# KiCad board hellen88bmw.kicad_pcb (continued)
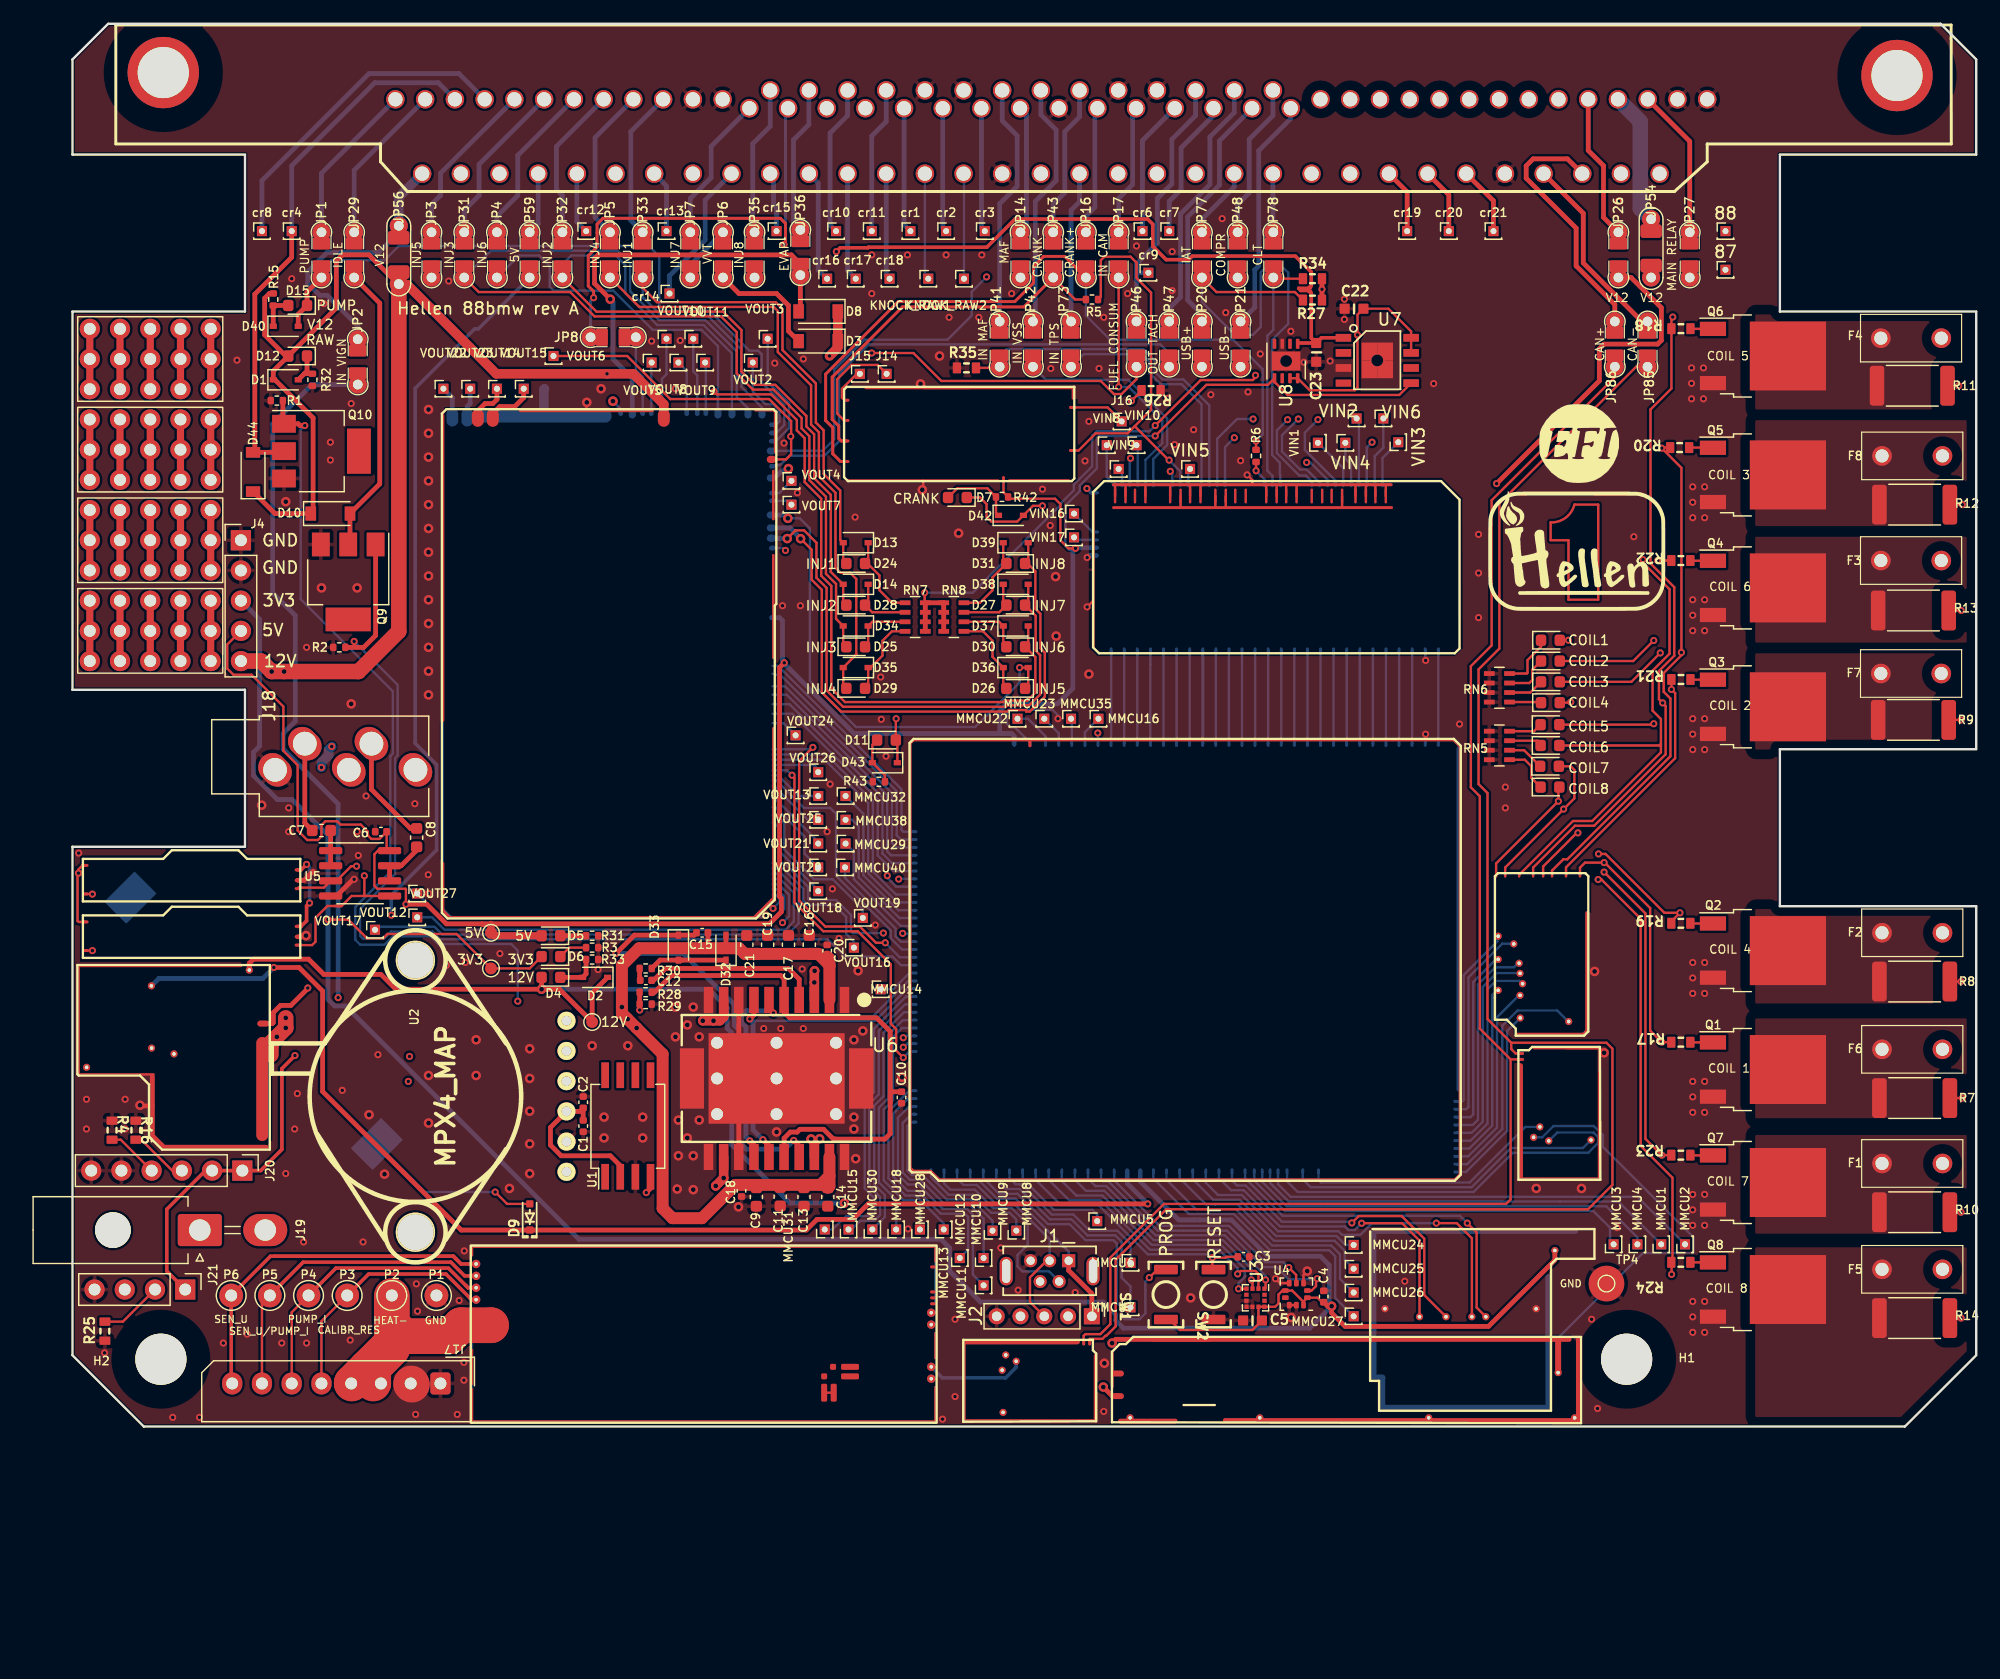
[diagram p0: board, top side]
## Routing (per net, layer and track width the routed paths; a pad name or vN(x,y) marks a point on that pad's centre or on a via; arc(x,y) is an arc through that point) (continued)
  Bottom w0.2: M9.W40 59.1,44.72 59.43,44.39 59.43,44.12 v1(58.88,43.57) ; v1(69.83,32.7) 69.99,32.86 M11.E8
/MAP2: length 7.9
  Bottom w0.2: M7.N13 101.6,57.4
/NRESET: length 21.5
  Top w0.2: SW2.1 95.8,13.3 v1(95.8,14.2) 96.9,14.2 96.97,14.27 C3.1
  Bottom w0.2: v1(95.8,14.2) 95.52,14.48 90.38,14.48 86.23,18.62 83.07,18.62 80.95,20.75 M11.N24
/OUT_AC_COMPR: length 50.9
  In2.Cu w0.2: v1(76.83,96.67) 78.08,97.92 96.62,97.92 JP48.2
  Bottom w0.2: M9.W4 63.05,82.05 64.03,83.02 64.03,88.87 66.55,91.4 73.55,91.4 75.58,93.42 75.58,95.42 v1(76.83,96.67)
/OUT_CHECK_ENGINE: length 6.6
  Bottom w0.2: M9.S8 47.92,88.28 47.35,88.84 JP8.2
/OUT_ETB+: length 73.6
  Top w0.8: U6.3 v2(62.35,37.35) 62.35,38.3 v2(62.38,38.32) ; U6.18 62.35,23.9 v2(62.08,24.17)
  In2.Cu w0.8: v2(62.38,38.32) 62.38,24.62 v2(62.8,24.2) 62.11,24.2 v2(62.08,24.17)
  In2.Cu w1: 62.08,22.72 62.08,19.82 59.64,17.37 31.38,17.37 30.03,18.72 26.53,18.72 24.33,16.52 J19.2 ; 62.08,22.72 62.08,23.48 v2(62.8,24.2) ; 62.08,22.72 v2(62.08,24.17)
/OUT_ETB-: length 69.3
  Top w0.8: U6.9 54.73,34.44 54.41,34.12 v2(53.88,34.12) v2(52.98,34.12) ; v2(54.06,20.23) v2(54.73,20.9) U6.12
  In2.Cu w0.8: v2(54.06,20.23) 55.6,21.77 55.6,32.62 54.09,34.12 v2(52.98,34.12)
  In2.Cu w1: J19.1 11.13,16.52 13.18,18.57 24.68,18.57 26.03,19.92 30.52,19.92 31.87,18.57 52.4,18.57 v2(54.73,20.9)
/OUT_EVAP: length 35
  Top w0.4: 61.18,97.77 60.43,98.52 44.18,98.52 43.88,98.22 43.88,96.12 v2(45.2,94.8) ; JP36.2 61.18,93.87
  Bottom w0.4: M9.S7 47.05,88.15 45.43,89.77 45.43,94.57 v2(45.2,94.8)
/OUT_FUEL_CONSUM: length 49.9
  Top w0.2: v1(67.18,90.27) 70.68,90.27 73.03,87.92 86.43,87.92 87.53,86.82 88.17,86.82 89.43,88.07 JP46.2
  In2.Cu w0.2: v4(45.43,86.22) 62.43,86.22 66.48,90.27 v1(67.18,90.27)
  Bottom w0.2: v4(45.43,86.22) 46.07,85.58 M9.S6
/OUT_FUEL_PUMP_RELAY: length 57.6
  Top w0.4: D40.2 18.98,93.54 D15.1 19.71,95.41 JP1.2
  Bottom w0.2: M9.W2 59.15,83.55 59.83,84.22 59.83,85.89 57.93,87.79 57.93,90.17 57.63,90.47 56.89,90.47 53.54,93.82 49.64,93.82 49.31,94.16 49.31,98.39 48.43,99.27 27.43,99.27 26.23,98.08 21.73,98.08 20.93,97.27 JP1.2
/OUT_ICV: length 45.1
  Top w0.4: cr4.1 18.43,98.32 15.33,95.22 15.33,82.07 D44.2 17.68,81.92
  Bottom w0.4: cr4.1 18.43,106.02 25.4,113 30.75,113 PP1.2
/OUT_IDLE: length 24.2
  Top w0.4: 23.33,74.32 D10.2 25.83,79.27 25.83,94.47 JP29.2
/OUT_IGN1: length 70.4
  Top w0.2: R17.2 v1(133.57,32.32) 132.6,33.3 132.6,43.6 128.77,47.42 v1(128.73,47.42) 127.13,47.42 126.7,47 M10.S8 ; v1(125.73,66.12) D23.2 ; 157.9,27.62 v1(158.84,27.62)
  In1.Cu w0.2: v1(133.57,32.32) 136.48,32.32 140.38,28.42 158.04,28.42 v1(158.84,27.62) ; v1(125.73,66.12) 125.33,65.72 125.33,60.64 125.93,60.04 125.93,51.64 125.73,51.44 125.73,49.84 128.14,47.42 v1(128.73,47.42)
/OUT_IGN2: length 60.5
  Top w0.2: v1(132.9,66.1) 131.17,64.37 D19.2 ; 157.8,59.42 v1(158.74,59.42) ; M10.S7 125.53,47.03 134.7,56.2 134.7,61.67 v1(134.38,61.98) R21.2
  In1.Cu w0.2: v1(158.74,59.42) 158.24,58.92 139.43,58.92 136.36,61.98 134.41,61.98 132.85,63.55 132.85,66.05 v1(132.9,66.1)
/OUT_IGN3: length 82.2
  Top w0.2: 157.9,77.52 v1(158.84,77.52) ; M10.S6 124.35,46.75 125.3,47.7 125.63,47.7 134.3,56.37 134.3,61.22 133.74,61.79 133.74,63.3 ; R20.2 133.62,82.32 v1(133.57,82.27) 135.22,80.62 135.22,64.85 133.74,63.37 ; D22.2 131.01,62.62 v1(133.45,65.05)
  In1.Cu w0.2: v1(133.57,82.27) 135.43,82.27 140.58,77.12 158.43,77.12 158.83,77.52 v1(158.84,77.52) ; v1(133.45,65.05) 135.19,65.05 v1(135.22,65.09)
/OUT_IGN4: length 56.7
  Top w0.2: R19.2 134.38,42.47 v1(135.1,43.2) 133.8,43.2 128.84,48.15 v1(128.26,48.15) ; R8.2 v1(158.73,37.42) ; D18.2 125.88,60.87 v1(125.93,60.92) ; M10.S5 123.6,47.1 126.43,49.92 v1(126.53,49.92)
  In1.Cu w0.2: v1(128.26,48.15) 128.26,48.19 v1(126.53,49.92) 126.13,50.32 126.13,51.27 126.33,51.47 126.33,60.52 v1(125.93,60.92) ; v1(135.1,43.2) 140.88,37.42 v1(158.73,37.42)
/OUT_IGN5: length 92.6
  Top w0.2: v1(132.9,59.1) 132.82,59.02 D21.2 ; M10.S4 122.76,47.01 126.28,50.52 127.89,50.52 133.9,56.53 133.9,60.6 v1(133.65,60.85) 133.34,61.16 133.34,63.53 134.62,64.82 134.62,70.58 132.63,72.57 132.63,85.53 134.39,87.29 R18.2 134.39,93.19 v1(134.5,93.3) ; R11.1 v1(158.53,87.52)
  In1.Cu w0.2: v1(134.5,93.3) 140.68,87.12 158.13,87.12 v1(158.53,87.52) ; v1(133.65,60.85) 133.65,59.85 v1(132.9,59.1)
/OUT_IGN6: length 73.4
  Top w0.2: D17.2 133.38,57.27 133.5,57.4 ; 157.8,68.62 v1(158.74,68.62) ; 133.5,57.4 133.5,59.5 132.8,60.2 132.8,63.56 134.23,64.99 134.23,70.41 132,72.64 v1(132,72.9) ; 133.5,57.4 133.5,56.7 127.73,50.92 126.11,50.92 121.59,46.4 M10.S3 ; R22.2 v1(133.23,72.82)
  In1.Cu w0.2: v1(158.74,68.62) 153.88,68.62 149.68,72.82 v1(133.23,72.82) 132.08,72.82 v1(132,72.9)
/OUT_IGN7: length 74.3
  Top w0.2: R23.2 v1(133.57,22.82) 132.2,24.2 132.2,43.15 v1(128.73,46.62) ; R10.2 v1(158.73,18.02) ; D20.2 125.93,55.52 126.23,55.22 126.23,52.82 v1(125.33,51.92) 120.41,47.01 M10.S2
  In1.Cu w0.2: v1(128.73,46.62) 128.37,46.62 125.33,49.67 v1(125.33,51.92) ; v1(133.57,22.82) 145.88,22.82 150.68,18.02 v1(158.73,18.02)
/OUT_IGN8: length 80.5
  Top w0.2: v1(134.4,12.8) 134.4,13.79 R24.2 134.47,13.91 134.47,20.92 131.8,23.6 131.8,42.7 128.5,46 v1(128.23,46) ; M10.S1 119.65,47.36 v1(124.88,52.59) 124.88,53.69 D16.2 ; R14.1 v1(158.73,9.12)
  In1.Cu w0.2: v1(158.73,9.12) 158.03,9.82 139.28,9.82 136.3,12.8 v1(134.4,12.8) ; v1(124.88,52.59) 124.73,52.43 124.73,49.62 128.23,46.12 v1(128.23,46)
/OUT_INJ1: length 55
  Top w0.2: JP33.2 47.93,95.75 49.13,94.55 59.1,94.55 59.68,93.97 59.68,90.52 62.48,87.72 62.48,84.43 63.13,83.77 63.13,80.11 64.53,78.72 64.53,74.57 D13.2 64.78,72.84 D24.1
  Bottom w0.2: M9.S18 57.95,85.7 56.22,87.43 56.22,90.57 53.37,93.42 49.48,93.42 48.03,94.87 ; 48.03,94.87 47.93,94.97 ; 48.03,94.87 47.93,94.97 ; 47.93,94.97 JP33.2
/OUT_INJ2: length 70.2
  Top w0.2: D28.1 64.78,69.34 D14.2 63.73,71.87 63.73,78.36 62.33,79.75 62.33,83.44 61.68,84.1 61.68,84.98 59.06,87.6 57.35,87.6 56.23,88.72 56.23,92.2 54.67,93.75 44.04,93.75 JP32.2
  Bottom w0.2: M9.S16 55.42,90.24 53.04,92.62 49.15,92.62 46.47,95.31 46.47,97.67 45.66,98.47 41.93,98.47 41.18,97.72 JP32.2
/OUT_INJ3: length 90.4
  Top w0.2: JP31.2 34.15,95.4 41.83,95.4 43.88,93.35 54.51,93.35 55.83,92.03 55.83,88.56 57.18,87.2 58.9,87.2 61.28,84.82 61.28,83.93 61.93,83.28 61.93,79.58 63.33,78.19 63.33,71.71 64.18,70.86 64.18,67.92 D34.2 64.78,65.84 D25.1
  Bottom w0.2: M9.S17 56.77,85.63 55.82,86.58 55.82,90.41 53.21,93.02 49.31,93.02 46.86,95.47 46.86,97.83 45.83,98.87 35.18,98.87 JP31.2
/OUT_INJ4: length 80.5
  Top w0.2: JP5.2 47.65,94.15 58.94,94.15 59.28,93.81 59.28,90.36 62.08,87.55 62.08,84.26 62.73,83.61 62.73,79.92 64.13,78.52 64.13,72.22 64.55,71.8 65.35,71.8 65.88,71.27 65.88,64.92 D35.2 64.78,62.34 D29.1
  In1.Cu w0.4: v2(60.17,80.55) 61.08,81.46 61.08,84.12 59.18,86.02 55.93,86.02 54.13,87.82 54.13,92.72 53.18,93.67 47.93,93.67 45.18,96.42 JP5.2
  Bottom w0.4: v2(60.17,80.55) 59.96,80.35 59.6,80.35 59.03,79.77 M9.W7
/OUT_INJ5: length 92.7
  Top w0.2: v1(79.6,63.82) D36.2 80.33,62.34 D26.1
  In1.Cu w0.4: JP3.2 31.34,95.46 41.66,95.46 42.34,96.14 42.34,96.74 43.38,97.78 45.92,97.78 46.76,96.93 46.76,95.68 48.18,94.27 53.42,94.27 54.73,92.97 54.73,88.12 56.23,86.62 59.42,86.62 61.68,84.37 61.68,77.12 60.92,76.37 v2(60.13,76.37)
  Bottom w0.2: v2(60.13,76.37) 61.13,76.37 61.98,75.52 61.98,62.7 65.85,58.82 75.86,58.82 79.6,62.56 v1(79.6,63.82)
  Bottom w0.4: v2(60.13,76.37) 59.85,76.65 M9.W10
/OUT_INJ6: length 87
  Top w0.2: D37.2 80.33,65.84 D30.1 80.93,64.71 80.93,61.72 80.25,61.05 78.37,61.05 78.25,60.92 64.93,60.92 63.78,62.07 63.78,70.69 62.93,71.54 62.93,78.03 61.54,79.42 61.54,83.11 60.88,83.77 60.88,84.64 58.72,86.8 54.16,86.8 v1(53.92,87.04)
  Bottom w0.2: v1(53.92,87.04) 54.25,86.71 M9.S15 54.25,90.85 52.88,92.22 48.76,92.22 45.46,95.52 40.43,95.52 40.11,95.83 40.11,97.58 39.23,98.47 37.53,98.47 JP4.2
/OUT_INJ7: length 79.8
  Top w0.2: v2(60.08,74.67) 60.77,75.36 61.49,75.36 62.53,74.32 62.53,71.38 63.38,70.53 63.38,61.91 64.76,60.52 78.41,60.52 78.54,60.65 80.32,60.65 80.37,60.6 81.33,61.55 81.33,64.88 80.95,65.25 80.95,68.19 D27.1 80.33,69.34 D38.2
  In1.Cu w0.4: v2(60.08,74.67) 62.28,76.87 62.28,84.62 59.67,87.22 56.48,87.22 55.33,88.37 55.33,93.22 JP7.2
  Bottom w0.4: JP6.1 54.68,100.42 51.93,97.67 JP7.2 ; 59.13,74.7 59.13,74.67 v2(60.08,74.67)
/OUT_INJ8: length 78.4
  Top w0.2: v2(61.2,74.66) 62.13,73.73 62.13,71.21 62.98,70.36 62.98,61.74 64.6,60.12 78.7,60.12 78.7,60.25 80.15,60.25 80.15,60.12 80.46,60.12 81.72,61.39 81.72,65.07 81.35,65.45 81.35,68.35 80.93,68.78 80.93,71.92 80.28,72.57 D31.1 80.33,72.84 D39.2
  In1.Cu w0.4: JP35.2 57.33,95.42 55.93,94.02 55.93,88.77 56.88,87.82 59.92,87.82 62.88,84.87 62.88,76.34 v2(61.2,74.66)
  Bottom w0.4: M9.W11 60.31,75.57 60.88,75 60.88,74.98 v2(61.2,74.66)
/OUT_MAIN_RELAY: length 149.7
  Top w0.2: D43.1 69.33,57.6 D11.2 69.2,59.5 v1(69.23,59.52)
  In2.Cu w0.2: v1(69.23,59.52) 69.23,60.32 69.25,60.35
  In2.Cu w0.4: JP27.2 133.98,94.67 109.78,94.67 105,89.89 105,89.8 101.23,86.03 101.23,82.07 102.93,80.37 115.83,80.37 117.33,78.87 117.33,65.22 112.45,60.35 64.95,60.35 60.43,64.87 60.43,73.17 v1(59.93,73.67)
  Bottom w0.2: M9.W13 59.73,73.87 v1(59.93,73.67)
/OUT_TACH: length 42.3
  Bottom w0.2: M9.W6 58.95,80.85 59.48,80.85 60.28,81.65 63.22,81.65 64.43,82.86 64.43,88.52 66.9,91 91.43,91 92.18,90.25 JP47.2
/PPS1: length 7.9
  Bottom w0.2: 110.39,57.4 110.39,65.27
/PPS2: length 7.9
  Bottom w0.2: 105.99,57.4 105.99,65.27
/PUMP: length 32.2
  Top w0.2: v1(60.48,54.77) 60.68,54.57 60.68,44.07 63.1,41.65 66,41.65 68.78,38.87 68.78,33.88 69.23,33.43 69.23,31.62 v1(69.83,31.02)
  Bottom w0.2: M9.W26 60.06,55.19 v1(60.48,54.77) ; M11.E6 70.34,31.54 v1(69.83,31.02)
/RES1: length 7.9
  Bottom w0.2: M7.N6 109.3,57.4
/RES2: length 7.9
  Bottom w0.2: M7.N3 112.6,57.4
/SD_CLK: length 26.8
  Top w0.2: v1(107.53,17.12) 108.1,17.7 111.72,17.7 113.61,15.8 113.61,11.06 M13.V6
  Bottom w0.2: M11.N9 97.45,20.7 97.88,20.27 98.6,20.27 101.65,17.22 107.43,17.22 v1(107.53,17.12)
/SD_CS: length 29.3
  Top w0.2: v1(117.23,17.11) 118.01,16.32 118.01,10.01 M13.V4
  Bottom w0.2: M11.N8 98.55,20.89 101.72,17.72 116.61,17.72 v1(117.23,17.11)
/SD_MISO: length 26.5
  Top w0.2: M13.V7 113.21,15.64 111.75,17.1 v1(108.35,17.1)
  Bottom w0.2: v1(108.35,17.1) 107.77,16.52 107.24,16.52 106.94,16.82 101.49,16.82 98.44,19.87 97.38,19.87 96.35,20.9 M11.N10
/SD_MOSI: length 32.7
  Top w0.2: M13.V5 117.61,15.84 116.34,17.11 v1(114.63,17.11)
  Bottom w0.2: v1(114.63,17.11) 109.23,17.11 108.24,16.12 106.71,16.12 106.41,16.42 101.32,16.42 98.27,19.47 96.28,19.47 95.25,20.5 M11.N11
/SENS1: length 7.9
  Bottom w0.2: M7.N26 87.3,64.91 87.29,64.91 87.29,57.4
/SENS2: length 7.9
  Bottom w0.2: M7.N25 88.4,64.81 88.39,64.81 88.39,57.4
/SENS4: length 7.9
  Bottom w0.2: 90.59,57.4 90.59,64.1 90.6,64.1 M7.N23
/SPI_CS: length 23.3
  Top w0.2: 99.68,11.59 99.68,12.83 99.43,13.08 98.18,13.08 v1(97.93,12.84)
  Bottom w0.2: M11.N23 82.05,20.75 83.77,19.02 86.4,19.02 90.54,14.88 96.36,14.88 97.93,13.31 v1(97.93,12.84)
/SPI_MISO: length 20.4
  Top w0.2: v1(99.08,12.33) 99.18,12.23 99.18,11.59
  Bottom w0.2: v1(99.08,12.33) 99.08,13.29 96.69,15.68 90.88,15.68 86.73,19.82 86.63,19.82 85.18,19.82 84.25,20.75 M11.N21
/SPI_MOSI: length 21.9
  Top w0.2: v1(98,11.58) 98.67,11.58 98.68,11.59
  Bottom w0.2: M11.N22 83.15,20.64 84.37,19.42 86.57,19.42 90.71,15.28 96.53,15.28 98.53,13.27 98.53,12.59 98,12.06 v1(98,11.58)
/SPI_SCK: length 20
  Top w0.2: v1(100.28,12.33) 100.28,11.69 100.18,11.59
  Bottom w0.2: M11.N20 85.35,20.85 85.98,20.22 86.9,20.22 91.04,16.08 96.86,16.08 100.28,12.66 v1(100.28,12.33)
/TACH: length 21.1
  Bottom w0.2: M11.E19 69.72,40.12 68.78,41.06 68.78,41.72 67.58,42.92 67.57,42.92 64.18,46.32 64.18,51.52 63.68,52.02 61.47,52.02 59.18,54.31 M9.W28
/TPS: length 7.9
  Bottom w0.2: 97.19,57.4 97.19,65.27
/TPS2: length 7.9
  Bottom w0.2: 104.89,57.4 104.89,65.27
/TPS3: length 7.9
  Bottom w0.2: M7.N8 107.1,57.4
/USBM: length 150.3
  In1.Cu w0.4: JP21.2 98.18,88.62 100,86.8 115.72,86.8 122.52,79.99 122.52,62.03 119.13,58.64 119.13,20.68 117.17,18.72 92.93,18.72 89.37,15.17 85.18,15.17 84.68,14.67 84.68,13.22 83.65,12.2 J1.2 82.93,10.02 J2.2
  Bottom w0.2: J1.2 82.08,13.05 79.85,13.05 79.43,13.47 79.43,14.42 80.28,15.27 80.28,17.03 78.93,18.37 77.38,18.37 75.83,19.92 73.78,19.92 73.25,20.45 M11.N31
/USBP: length 149
  Top w0.2: J2.3 80.48,10.47 80.48,12.55 81.87,13.95 J1.3
  In1.Cu w0.4: J1.3 82.13,14.42 83.48,15.77 89.13,15.77 92.68,19.32 116.92,19.32 118.53,20.93 118.53,58.88 121.92,62.28 121.92,79.74 115.47,86.2 97.85,86.2 JP20.2
  Bottom w0.2: J1.3 82.13,15.75 79.1,18.77 77.54,18.77 76,20.32 74.88,20.32 74.35,20.85 M11.N30
/VIGN: length 102.8
  In1.Cu w0.4: M1.V5 1.62,29.77 28.88,29.77 40.18,41.07 61.57,41.07 69.93,49.42 69.93,57.77 70.43,58.27 86.13,58.27 v1(86.18,58.32)
  Bottom w0.2: 86.19,57.4 86.19,58.31 v1(86.18,58.32)
/VREF1: length 2.2
  Top w0.2: R6.2 v1(99.48,80.37)
  Bottom w0.2: M7.S14 100.2,79.65 v1(99.48,80.37)
/VREF2: length 158.9
  Top w0.2: M8.W2 0.84,47.19 0.51,46.85 v1(0.51,46.54) ; M12.W2 0.51,42.44 0.43,42.52 0.43,46.46
  In2.Cu w0.2: v1(97.65,83.15) 93.5,83.15 85.33,91.32 72.63,91.32 71.13,92.82 31.42,92.82 27.38,88.78 27.38,66.72 20.93,60.27 19.38,60.27 17.73,58.62 17.73,56.64 18.74,55.63 18.74,54.1 16,51.36 16,48.14 7.13,39.27 1.44,39.27 0.51,40.2 v1(0.51,46.54)
  Bottom w0.2: v1(97.65,83.15) 96.87,82.37 M7.S13
Net-(BT1-Pad1): length 14.9
  Top w0.2: v1(35.53,19.72) 36.52,18.72 D9.2
  Bottom w0.2: BT1.1 29.63,19.72 v1(35.53,19.72)
Net-(C7-Pad1): length 3
  Top w0.4: U5.2 U5.1 C7.1
Net-(C7-Pad2): length 7.6
  Top w0.4: J18.T 19.53,50.75 C7.2
Net-(C8-Pad1): length 4.4
  Top w0.4: C8.1 28.93,48.46 27.63,47.16 U5.7 U5.6
Net-(C8-Pad2): length 9
  Top w0.4: C8.2 28.4,50.3 25.13,53.57 25.13,57.32 25.03,57.42
Net-(C10-Pad1): length 45.9
  Top w0.4: 68.73,27.22 68.73,24.62 68.28,24.17 63.96,24.17 63.13,25 61.14,25 60.91,24.76 60.33,24.76 59.81,24.25 U6.16 ; 68.73,27.22 68.73,27.97 68.91,28.15 C10.1 ; 68.73,27.22 68.73,33.22 67.58,34.37 60.28,34.37 59.81,34.84 U6.5 59.81,37.64 59.53,37.92 50.33,37.92 48.93,36.52 R28.1
Net-(C12-Pad1): length 1
  Top w0.4: R30.1 47.67,37.57 C12.1
Net-(C12-Pad2): length 14.9
  Top w0.4: C12.2 48.84,37.52 49.84,38.52 60.18,38.52 61.08,37.62 U6.4
Net-(C15-Pad2): length 37.7
  Top w0.4: C15.2 52.25,41.32 D33.1 47.23,41.32 v1(45.68,39.77) ; U6.17 61.08,23.6 v1(60.62,24.06)
  Bottom w0.4: v1(45.68,39.77) 51.33,39.77 55.63,35.47 55.63,33.73 56,33.36 56,23.96 56.64,23.32 59.88,23.32 v1(60.62,24.06)
Net-(D1-Pad2): length 3
  Top w0.4: 19.49,88.53 19.71,88.76 D12.1 ; 19.49,88.53 D1.2 ; 19.49,88.53 R32.1
Net-(D2-Pad2): length 3.5
  Top w0.4: R33.1 43.17,38.06 D2.2 41,37.77
Net-(D3-Pad2): length 9.8
  Top w0.4: D3.2 60.18,92.12 60.18,94.27 59.18,95.27 56.02,95.27 JP6.2
Net-(D5-Pad1): length 2.2
  Top w0.4: 41,41.27 R31.1
Net-(D6-Pad1): length 2.5
  Top w0.2: 41,39.52 41.75,40.27 R3.1
Net-(D11-Pad1): length 4.1
  Top w0.2: D11.1 67.23,57.32 D43.2 68.29,54.76 R43.1
Net-(D13-Pad1): length 7.3
  Top w0.2: D13.1 66.88,72.84 D24.2 66.83,72.57 67.83,71.57 67.83,70.32 68.88,69.27 RN7.5
Net-(D14-Pad1): length 5.5
  Top w0.2: D14.1 66.88,69.34 D28.2 67.21,68.47 RN7.6
Net-(D15-Pad2): length 3
  Top w0.4: D15.2 16.94,94.27 16.88,94.21 D40.1
Net-(D16-Pad1): length 4.1
  Top w0.2: RN5.5 122.06,56.07 122.61,55.52 122.61,54.55 D16.1
Net-(D17-Pad1): length 2.8
  Top w0.2: 123.46,57.34 123.12,57.67 RN5.7
Net-(D18-Pad1): length 2.7
  Top w0.2: RN6.5 123.38,60.92 D18.1
Net-(D19-Pad1): length 3.9
  Top w0.2: RN6.7 122.44,62.52 122.69,62.77 122.69,63.64 D19.1
Net-(D20-Pad1): length 3.1
  Top w0.2: RN5.6 122,56.87 D20.1
Net-(D21-Pad1): length 2.8
  Top w0.2: RN5.8 122.84,58.47 D21.1
Net-(D22-Pad1): length 3
  Top w0.2: D22.1 122.53,61.72 RN6.6
Net-(D23-Pad1): length 4.7
  Top w0.2: D23.1 123.43,65.59 122.29,64.45 122.29,63.39 122.23,63.32 RN6.8
Net-(D25-Pad2): length 5.1
  Top w0.2: RN7.7 67.23,67.67 D34.1 66.88,65.84 D25.2
Net-(D26-Pad2): length 7.2
  Top w0.2: RN8.5 76.53,66.87 77.33,66.07 77.33,64.72 D36.1 78.23,62.34 D26.2
Net-(D27-Pad2): length 5.7
  Top w0.2: D38.1 78.23,69.34 D27.2 77.89,68.47 RN8.7
Net-(D29-Pad2): length 7
  Top w0.2: RN7.8 68.88,66.87 68.08,66.07 68.08,64.82 67.08,63.82 D35.1 66.88,62.34 D29.2
Net-(D30-Pad2): length 5.3
  Top w0.2: RN8.6 77.88,67.67 D37.1 78.23,65.84 D30.2
Net-(D31-Pad2): length 7.4
  Top w0.2: D39.1 78.23,72.84 D31.2 77.33,71.41 77.33,70.32 76.28,69.27 RN8.8
Net-(D32-Pad1): length 7
  Top w0.4: R30.2 49.39,39.22 D33.2 51.23,39.22 ; 51.23,39.22 D32.1 ; 51.23,39.22 50.73,39.22
Net-(D42-Pad1): length 6.3
  Top w0.2: D42.1 77.62,76.83 R42.2 76.89,78.9 74.36,78.9 D7.2
Net-(G3-Pad1): length 5.1
  Top w0.6: G3.1 G3.11
Net-(G3-Pad10): length 5.1
  Top w0.6: G3.5 G3.15
Net-(G3-Pad12): length 5.1
  Top w0.6: G3.12 G3.2
Net-(G3-Pad13): length 5.1
  Top w0.6: G3.3 G3.13
Net-(G3-Pad14): length 5.1
  Top w0.6: G3.14 G3.4
Net-(G4-Pad1): length 5.1
  Top w0.6: G4.1 G4.11
Net-(G4-Pad10): length 5.1
  Top w0.6: G4.5 G4.15
Net-(G4-Pad12): length 5.1
  Top w0.6: G4.12 G4.2
Net-(G4-Pad13): length 5.1
  Top w0.6: G4.3 G4.13
Net-(G4-Pad14): length 5.1
  Top w0.6: G4.14 G4.4
Net-(G6-Pad1): length 5.1
  Top w0.6: G6.1 G6.11
Net-(G6-Pad10): length 5.1
  Top w0.6: G6.5 G6.15
Net-(G6-Pad12): length 5.1
  Top w0.6: G6.12 G6.2
Net-(G6-Pad13): length 5.1
  Top w0.6: G6.3 G6.13
Net-(G6-Pad14): length 5.1
  Top w0.6: G6.14 G6.4
Net-(G7-Pad1): length 5.1
  Top w0.6: G7.1 G7.11
Net-(G7-Pad10): length 5.1
  Top w0.6: G7.5 G7.15
Net-(G7-Pad12): length 5.1
  Top w0.6: G7.12 G7.2
Net-(G7-Pad13): length 5.1
  Top w0.6: G7.3 G7.13
Net-(G7-Pad14): length 5.1
  Top w0.6: G7.14 G7.4
Net-(J14-Pad1): length 8.9
  Top w0.2: J14.1 67.68,89.27 65.48,89.27 64.28,88.07 64.28,85.17 64.85,84.6 M6.E3
Net-(J15-Pad1): length 3.2
  Top w0.2: M6.E4 64.9,86.3 64.68,86.52 64.68,87.27 65.93,88.52 J15.1
Net-(J16-Pad1): length 4.7
  Top w0.2: M6.W1 87,85.7 J16.1
Net-(JP1-Pad1): length 13.8
  Bottom w0.4: PP1.1 20.93,105.39 JP1.1
Net-(JP2-Pad1): length 22.6
  Bottom w0.4: 27.43,100.43 25.72,98.72 21.39,98.72 19.76,97.1 19.76,96.14 20.78,95.12 21.42,95.12 23.98,92.56 JP2.1
  Bottom w0.8: PP1.56 27.43,103.39 27.43,100.43
Net-(JP3-Pad1): length 14.1
  Bottom w0.4: JP3.1 30.18,102.77 30.94,103.53 30.94,105.4 PP1.3
Net-(JP4-Pad1): length 13.9
  Bottom w0.4: JP4.1 35.68,101.77 37.43,103.52 37.43,106.89 PP1.4
Net-(JP5-Pad1): length 13
  Bottom w0.4: PP1.5 43.93,108.39 43.93,101.68 JP5.1
Net-(JP7-Pad1): length 12.5
  Bottom w0.4: JP7.1 51.93,103.27 53.68,105.02 53.68,107.64 PP1.7
Net-(JP8-Pad1): length 39.7
  Top w0.25: v1(59.8,99.4) 59.93,99.53 59.93,101.17 59.5,101.6 44.58,101.6 44.09,101.11 44.09,99.19 43.35,98.45 43.35,95.91 43.8,95.46 v1(43.8,94.92)
  Bottom w0.25: JP8.1 43.54,94.67 v1(43.8,94.92) ; v1(59.8,99.4) 59.93,99.53 59.93,110.64 PP1.8
Net-(JP14-Pad1): length 10.9
  Bottom w0.4: JP14.1 80.18,100.93 80.18,110.32 PP1.14
Net-(JP16-Pad1): length 10.8
  Bottom w0.4: PP1.16 85.93,110.64 85.93,102.52 85.18,101.77 JP16.1
Net-(JP17-Pad1): length 11
  Bottom w0.4: JP17.1 87.93,103.27 89.1,104.45 89.1,110.56 PP1.17
Net-(JP20-Pad1): length 20.7
  Bottom w0.4: JP20.1 94.93,93.52 93.73,94.72 93.73,101.72 96.4,104.4 96.4,108.11 PP1.20
Net-(JP21-Pad1): length 19.7
  Bottom w0.4: PP1.21 102.39,109.99 99.7,107.3 99.7,97.6 99.37,97.26 99.37,94.12 JP21.1
Net-(JP26-Pad1): length 12.2
  Top w0.4: PP1.26 127.39,107.31 128.68,106.02 128.68,101.68 JP26.1
Net-(JP27-Pad1): length 12.6
  Top w0.4: PP1.27 135.93,108.07 JP27.1
Net-(JP29-Pad1): length 13.6
  Bottom w0.4: PP1.29 23.68,105.64 JP29.1
Net-(JP31-Pad1): length 14
  Bottom w0.4: JP31.1 32.93,102.27 34.18,103.52 34.18,106.14 PP1.31
Net-(JP32-Pad1): length 13
  Bottom w0.4: JP32.1 41.18,103.52 40.68,104.02 40.68,107.64 PP1.32
Net-(JP33-Pad1): length 12.7
  Bottom w0.4: JP33.1 46.93,101.43 46.93,108.89 PP1.33
Net-(JP35-Pad1): length 12.6
  Bottom w0.4: PP1.35 58.64,109.34 57.18,107.87 57.18,100.58 JP35.1
Net-(JP36-Pad1): length 12.5
  Bottom w0.4: JP36.1 60.6,101.21 60.6,108.2 61.89,109.49 PP1.36
Net-(JP41-Pad1): length 20.6
  Bottom w0.4: PP1.41 78.14,109.81 79.4,108.55 79.4,104.3 77.93,102.83 JP41.1
Net-(JP42-Pad1): length 20.8
  Bottom w0.4: PP1.42 81.39,110.31 82.68,109.02 82.68,104.77 80.93,103.02 80.93,93.13 JP42.1
Net-(JP43-Pad1): length 12.8
  Bottom w0.4: JP43.1 82.43,102.77 83.4,103.75 83.4,108.89 84.64,110.13 PP1.43
Net-(JP46-Pad1): length 22.5
  Bottom w0.4: cr9.1 89.43,97.02 ; 89.43,97.02 89.43,97.77 91.18,99.52 91.18,103.27 92.4,104.5 92.4,108.25 94.39,110.24 PP1.46 ; 89.43,97.02 JP46.1
Net-(JP47-Pad1): length 21.7
  Bottom w0.4: JP47.1 92.18,94.02 93.13,94.97 93.13,101.97 95.6,104.45 95.6,108.45 97.64,110.49 PP1.47
Net-(JP48-Pad1): length 13.2
  Bottom w0.4: PP1.48 100.89,110.24 98.9,108.25 98.9,103.75 97.93,102.77 JP48.1
Net-(JP54-Pad1): length 11.2
  Bottom w1.3: PP1.54 131.77,109.73 131.77,102.43 JP54.1
Net-(JP59-Pad1): length 5.2
  Bottom w0.4: JP59.1 39.14,101.14 PP1.59
Net-(JP73-Pad1): length 12.7
  Bottom w0.4: JP73.1 83.93,102.27 84.64,102.99 PP1.73
Net-(JP77-Pad1): length 6.1
  Bottom w0.4: JP77.1 94.93,101.52 97.64,104.24 PP1.77
Net-(JP78-Pad1): length 4.9
  Bottom w0.4: JP78.1 100.89,100.46 PP1.78
Net-(JP85-Pad1): length 16.3
  Top w0.4: JP85.1 131.9,92.93 126.98,97.85 126.98,102.02 PP1.85
Net-(JP86-Pad1): length 21.6
  Top w0.4: JP86.1 129.63,94.35 126.38,97.6 126.38,100.77 122.18,104.97 122.18,106.01 122.76,106.6 125.65,106.6 PP1.86
Net-(M3-PadJ1): length 0.8
  Top w0.2: 63.18,2.85 63.98,2.85
Net-(M3-PadW2): length 8.4
  Bottom w0.3: M4.V2 79.31,5 78.41,4.09 73.11,4.09 M3.W2
Net-(M3-PadW3): length 12.4
  In2.Cu w0.4: M3.W3 73.13,7.62 73.13,1.97 73.91,1.19 M4.V6
Net-(M3-PadW4): length 9.3
  In2.Cu w0.4: M3.W4 72.24,9.57 73.73,8.08 73.73,5.87 74.86,4.74 M4.V5
Net-(M7-PadE3): length 1.9
  Bottom w0.2: M7.E3 84.39,74.56 VIN17.1
Net-(M7-PadE4): length 2.5
  Bottom w0.2: M7.E4 85.73,75.22 VIN16.1
Net-(M7-PadS1): length 3.5
  Bottom w0.2: M7.S1 86.93,79.86 VIN8.1
Net-(M7-PadS2): length 1.4
  Bottom w0.2: VIN9.1 88.21,80.24 M7.S2
Net-(M7-PadS4): length 3.3
  Bottom w0.2: M7.S4 89.53,82.42 VIN10.1
Net-(M7-PadS9): length 1.4
  Bottom w0.2: VIN5.1 93.77,80.36 M7.S9
Net-(M7-PadS19): length 151.5
  Top w0.4: v1(48.23,19.67) 48.58,20.03 U1.4
  In1.Cu w0.4: v1(48.23,19.67) 48.78,19.12 54.13,19.12 55.53,20.52 116.43,20.52 117.33,21.42 117.33,59.38 120.72,62.78 120.72,79.25 118.9,81.07 v1(103.73,81.07)
  Bottom w0.2: v1(103.73,81.07) 104.03,81.07 105.48,79.62 M7.S19
Net-(M7-PadS21): length 4.4
  Bottom w0.2: M7.S21 106.8,80.6 VIN1.1
Net-(M7-PadS22): length 3.7
  Bottom w0.2: VIN4.1 106.98,81.37 107.46,80.89 M7.S22
Net-(M7-PadS23): length 5.6
  Bottom w0.2: M7.S23 108.12,84.58 VIN2.1
Net-(M7-PadS25): length 5.8
  Bottom w0.2: M7.S25 109.44,81.59 110.18,82.32 VIN6.1
Net-(M7-PadS26): length 4.1
  Bottom w0.2: M7.S26 110.1,81.45 VIN3.1
Net-(M9-PadS1): length 2.7
  Bottom w0.4: VOUT22.1 31.92,86.52 M9.S1
Net-(M9-PadS2): length 2.5
  Bottom w0.4: VOUT23.1 33.43,86.02 33.18,85.78 M9.S2
Net-(M9-PadS4): length 3.5
  Top w0.4: VOUT14.1 35.68,86.37 35.33,86.02 34.68,86.02 34.07,85.42 M9.S4
Net-(M9-PadS5): length 4.3
  Top w0.4: VOUT15.1 37.93,86.52 37.18,85.77 35.93,85.77 35.32,85.17 M9.S5
Net-(M9-PadS9): length 4.2
  Bottom w0.2: VOUT5.1 48.65,89.45 M9.S9
Net-(M9-PadS10): length 6.4
  Bottom w0.2: VOUT10.1 49.93,88.49 49.54,88.11 M9.S10
Net-(M9-PadS12): length 4.5
  Bottom w0.2: VOUT8.1 51.62,88.78 M9.S12
Net-(M9-PadS13): length 6.3
  Bottom w0.2: M9.S13 52.52,88.38 52.18,88.72 VOUT11.1
Net-(M9-PadS14): length 4.2
  Bottom w0.2: VOUT9.1 53.23,89.42 M9.S14
Net-(M9-PadW1): length 6.9
  Bottom w0.2: VOUT2.1 57.18,87.04 58.24,85.97 58.88,85.97 59.43,85.43 59.43,84.52 59.15,84.24 M9.W1
Net-(M9-PadW3): length 10.1
  Bottom w0.2: M9.W3 59.12,82.87 60.23,83.97 60.23,86.05 58.43,87.85 VOUT3.1
Net-(M9-PadW8): length 2
  Bottom w0.2: M9.W8 59.4,78.5 VOUT4.1
Net-(M9-PadW9): length 1.7
  Bottom w0.2: VOUT7.1 60.1,77.85 M9.W9
Net-(M9-PadW21): length 2.8
  Bottom w0.2: 59.55,59.15 M9.W21 59.75,59.15 VOUT24.1
Net-(M9-PadW25): length 4.1
  Bottom w0.2: VOUT26.1 62.68,55.27 62.32,55.63 M9.W25
Net-(M9-PadW27): length 4.4
  Bottom w0.2: VOUT13.1 61.03,53.02 59.3,54.75 M9.W27
Net-(M9-PadW29): length 4.9
  Bottom w0.2: M9.W29 61.8,51.02 VOUT25.1
Net-(M9-PadW30): length 5.4
  Bottom w0.2: VOUT21.1 62.68,49.17 59.1,52.75 M9.W30
Net-(M9-PadW31): length 6.7
  Bottom w0.2: VOUT20.1 61.53,48.17 61.53,49.62 59.06,52.09 M9.W31
Net-(M9-PadW32): length 12.8
  Bottom w0.2: VOUT19.1 66.43,43.5 63.91,46.02 62.32,46.02 59.83,48.51 59.83,50.76 59.15,51.43 M9.W32
Net-(M9-PadW33): length 7.3
  Bottom w0.2: M9.W33 59.43,50.3 59.43,48.35 62.68,45.1 VOUT18.1
Net-(M9-PadW35): length 11.2
  Bottom w0.2: M9.W35 59.72,46.92 61.43,45.22 61.43,44.21 61.76,43.87 64.01,43.87 65.03,42.86 65.03,41.42 65.68,40.77 VOUT16.1
Net-(M9-PadW36): length 41.8
  Bottom w0.2: VOUT17.1 25.68,42.02 30.43,42.02 31.08,41.37 60.09,41.37 61.03,42.31 61.03,45.05 59.6,46.48 M9.W36
